# Altium PCB PowerAmplifier_Front.PcbDoc
Units mm, origin at the board's own origin, x right, y up, seen from the top; angles counter-clockwise.
Board outline 100.2 x 80.26 mm, 2 copper layers (Top Layer, Bottom Layer); 49 components, 27 nets, 123 pads, 0 vias.
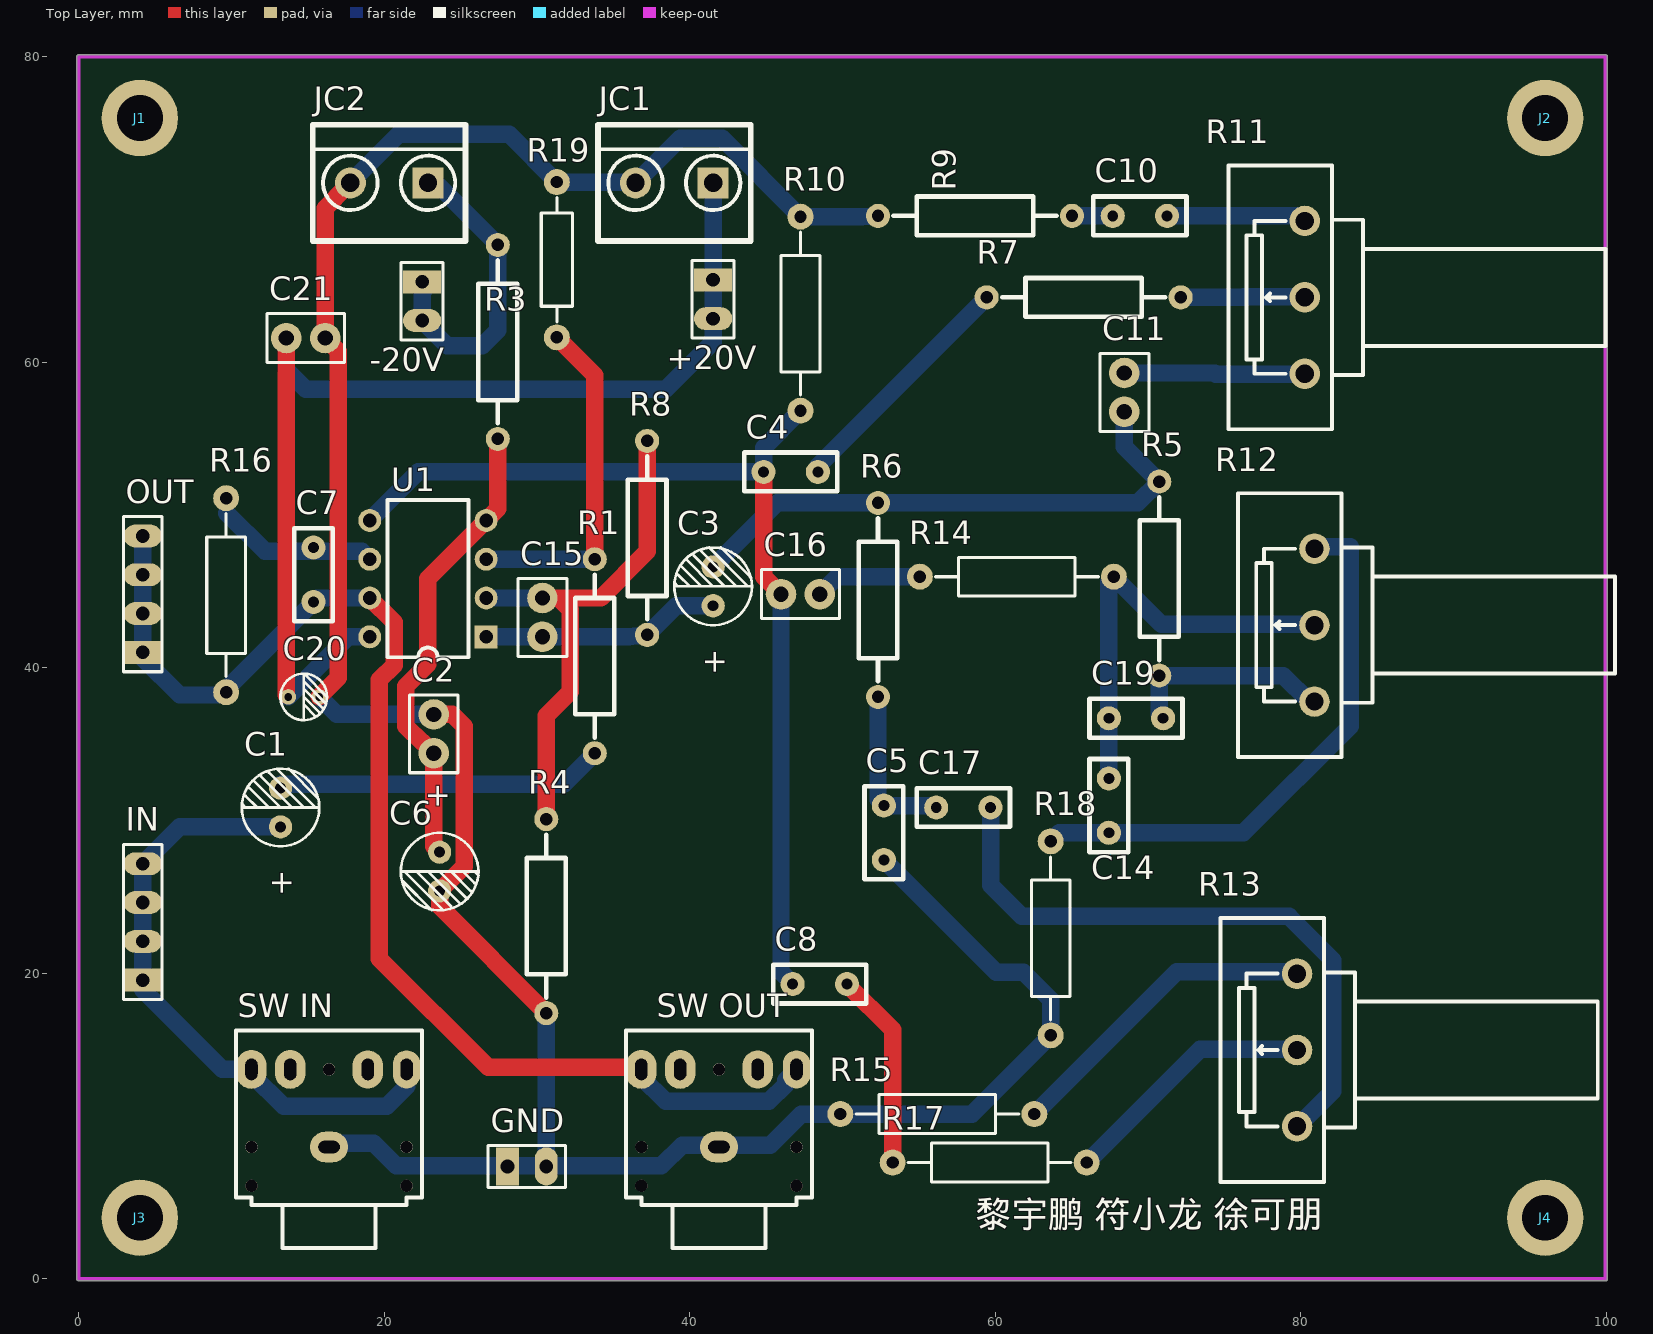
[diagram p0: Top Layer view]
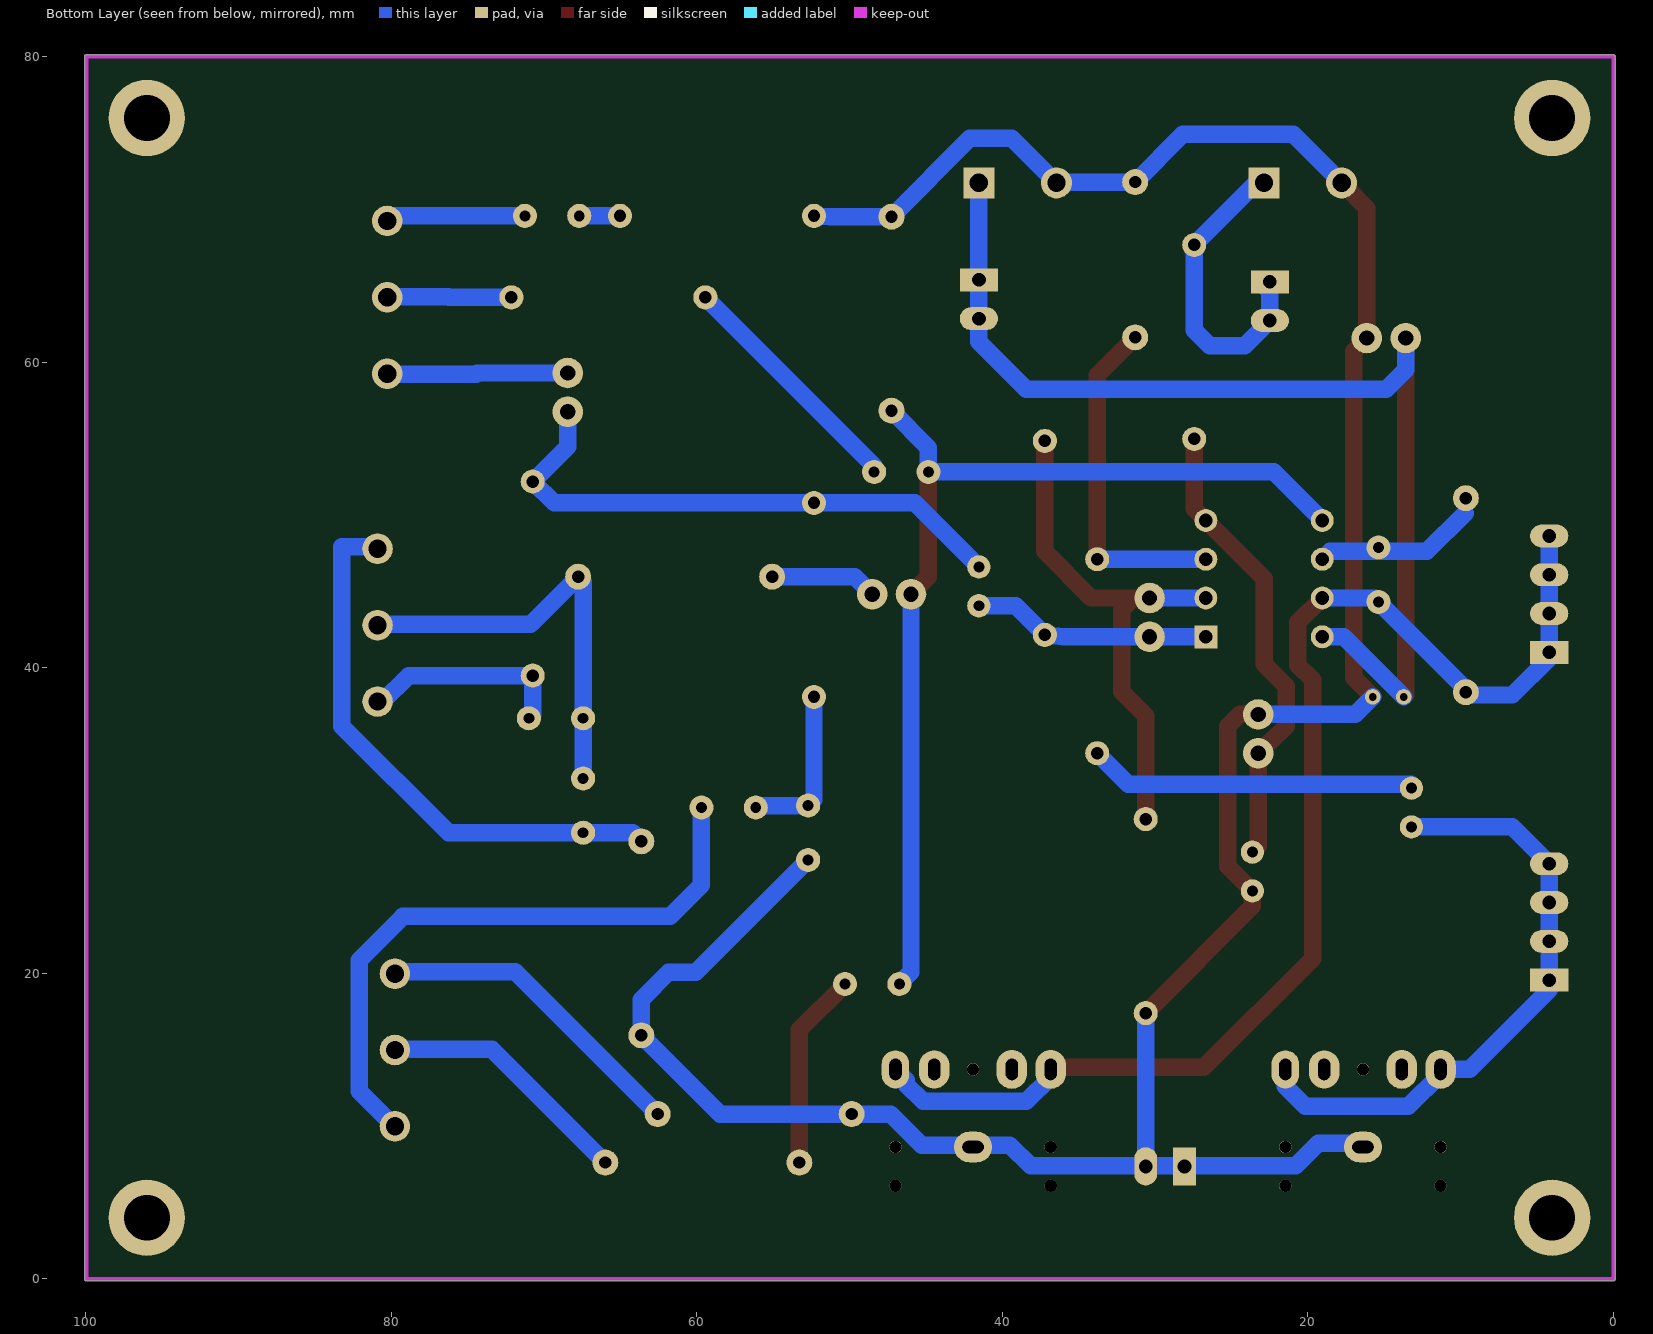
[diagram p1: Bottom Layer view, seen from below]

## Layer stack, top to bottom
Top Solder: solder mask 0.0102, Solder Resist, Dk 3.5
Top Layer: signal copper 0.0356
Dielectric 1: dielectric 0.32, FR-4, Dk 4.8
Bottom Layer: signal copper 0.0356
Bottom Solder: solder mask 0.0102, Solder Resist, Dk 3.5

## Board outline
0,-0.127 cw(c0,0) -0.127,0 -0.127,80.01 cw(c0,80.01) 0,80.137 99.949,80.137 cw(c99.949,80.01) 100.076,80.01 100.076,0 cw(c99.949,0) 99.949,-0.127

## Design rules (kind name [scope] priority, off if disabled: settings)
Clearance [All] p1: gap=0.254
HoleSize [All] p1 off: absolutevalues=TRUE maxlimit=2.54 minlimit=0.025 maxpercent=80.000 minpercent=20.000
PolygonConnect [All] p1: connectstyle=Relief reliefconductorwidth=0.254 reliefentries=4 polygonreliefangle="90 Angle" airgapwidth=0.254
RoutingVias [All] p1: holewidth=0.711 width=1.27 viastyle="Through Hole" minholewidth=0.711 minwidth=1.27 maxholewidth=0.711 maxwidth=1.27
SilkToSilkClearance [All] p1 off: silktosilkclearance=0.254
SilkToSolderMaskClearance [IsPad] p1 off: minsilkscreentomaskgap=0.254 clearancetoexposedcopper=TRUE
SolderMaskExpansion [All] p1: expansion=0.102
Width [All] p1: maxlimit=1.143 minlimit=1.143 preferedwidth=1.143
27 further rules are at their usual default settings.

## Components (designator, comment, footprint, x,y, rotation, side; value= is the part's Value field where it differs from the comment)
+20V "COM2-2.54" COM2-2.54 41.529,64.135 r270 top
-20V "COM2-2.54" COM2-2.54 22.479,64.008 r270 top
C1 "10uf" RB.1/.2 13.208,29.591 r90 top
C2 "Cap" CAPR2.54-5.1x3.2 23.241,35.687 r270 top
C3 "22uf" RB.1/.2 41.529,44.069 r90 top
C4 "224" RAD0.15 46.863,52.832 r180 top
C5 "333" RAD0.15 52.705,29.464 r270 top
C6 "22uf" RB.1/.2 23.622,27.94 r270 top
C7 "10pf" RAD0.15 15.367,46.355 r270 top
C8 "224" RAD0.15 48.768,19.304 r180 top
C10 "223" RAD0.15 69.723,69.596 r180 top
C11 "Cap" CAPR2.54-5.1x3.2 68.453,58.039 r90 top
C14 "683" RAD0.15 67.437,31.242 r270 top
C15 "Cap" CAPR2.54-5.1x3.2 30.353,43.307 r90 top
C16 "Cap" CAPR2.54-5.1x3.2 47.244,44.831 r0 top
C17 "333" RAD0.15 57.658,30.861 r0 top
C19 "683" RAD0.15 69.469,36.703 r180 top
C20 "22uf" RB.08/.12 13.716,38.1 r0 top
C21 "Cap" CAPR2.54-5.1x3.2 14.859,61.595 r180 top
GND "COM2-2.54" COM2-2.54 29.337,7.366 r0 top
IN "COM4-2.54" COM4-2.54 4.191,23.368 r90 top
J1 "3.0MM" 3.0MM 4,76 r0 top
J2 "3.0MM" 3.0MM 96,76 r0 top
J3 "3.0MM" 3.0MM 4,4 r0 top
J4 "3.0MM" 3.0MM 96,4 r0 top
JC1 "GND" CON_2PIN 38.989,71.755 r0 top
JC2 "GND" CON_2PIN 20.32,71.755 r0 top
OUT "COM4-2.54" COM4-2.54 4.191,44.831 r90 top
R1 "1K" AXIAL0.5 33.782,34.417 r90 top
R3 "220" AXIAL0.5 27.432,67.691 r270 top
R4 "1k" AXIAL0.5 30.607,30.099 r270 top
R5 "1k" AXIAL0.5 70.739,52.197 r270 top
R6 "2k" AXIAL0.5 52.324,50.8 r270 top
R7 "4.7k" AXIAL0.5 72.136,64.262 r180 top
R8 "2k" AXIAL0.5 37.211,54.864 r270 top
R9 "1K" AXIAL0.5 65.024,69.596 r180 top
R10 "10k" AXIL0.5 47.498,62.865 r90 top
R11 "10k" wh148-1-g15 80.264,64.262 r90 top
R12 "10k" wh148-1-g15 80.899,42.799 r90 top
R13 "10k" wh148-1-g15 79.756,14.986 r90 top
R14 "4.7k" AXIL0.5 61.087,45.72 r0 top
R15 "1k" AXIL0.5 55.88,10.541 r0 top
R16 "10k" AXIL0.5 9.398,45.085 r270 top
R17 "4.7k" AXIL0.5 59.309,7.366 r0 top
R18 "1k" AXIL0.5 63.881,21.971 r90 top
R19 "15k" AXIL0.4 31.369,66.294 r90 top
"SW IN" "POHENJACK STEREO SW" "POHENJACK STEREO SW" 16.256,11.049 r90 top
"SW OUT" "POHENJACK STEREO SW" "POHENJACK STEREO SW" 41.783,11.049 r90 top
U1 "NE5532" NE5532 22.987,45.974 r180 top

## Footprints (in the part's own frame and the unit in brackets; to place one, negate y for a bottom-side part, rotate by r counter-clockwise, add the part's x,y. Pads: shape width x height; smd on the part's side, far side on the other; paste and mask are expansions set on the pad)
3.0MM [mm]
  round 5 hole 3: 1(0,0)
AXIAL0.5 [mil]
  round 62 hole 32: 1(0,0) 2(500,0)
  silkscreen extent 40,-50 460,50
AXIL0.4 [mm]
  round 1.7 hole 0.8: 1(-4.65,0.075) 2(5.51,0.075)
  silkscreen extent -3.63,-0.94 4.49,1.09
AXIL0.5 [mm]
  round 1.7 hole 0.8: 1(-6.025,0.25) 2(6.675,0.25)
  silkscreen extent -5.01,-1.02 5.66,1.52
CAPR2.54-5.1x3.2 [mm]
  round 2 hole 1: 1(-1.27,0) 2(1.27,0)
  silkscreen extent -2.55,-1.6 2.55,1.6
COM2-2.54 [mm]
  rect 1.5x2.5 hole 0.9: 1(-1.27,0)
  oval 1.5x2.5 hole 0.9: 2(1.27,0)
  silkscreen extent -2.54,-1.37 2.54,1.37, body extent -2.54,-1.27 2.54,1.27, height 8.54
COM4-2.54 [mm]
  rect 1.5x2.5 hole 0.9: 1(-3.81,0)
  oval 1.5x2.5 hole 0.9: 2(-1.27,0) 3(1.27,0) 4(3.81,0)
  silkscreen extent -5.08,-1.27 5.08,1.27, body extent -5.08,-1.27 5.08,1.27, height 10.1
CON_2PIN [mil]
  rect 80x80 hole 47.24: 1(100,0)
  round 80 hole 47.24: 2(-100,0)
  silkscreen extent -197,-150 197,150, body extent -190,-171 203,144, height 433
NE5532 [mm]
  rect 1.5x1.5 hole 0.9: 1(-3.683,3.937)
  round 1.5 hole 0.9: 2(-3.683,1.397) 3(-3.683,-1.143) 4(-3.683,-3.683) 5(3.937,-3.683) 6(3.937,-1.143) 7(3.937,1.397) 8(3.937,3.937)
  silkscreen extent -2.52,-5.02 2.78,5.28
"POHENJACK STEREO SW" [mm]
  oval 2.54x2 hole 0.8 slot 1.4 at 0 deg: 1(2.667,4.953) 2(2.667,2.413)
  oval 2.5x2 hole 0.8 slot 1.4 at 0 deg: 3(2.667,-2.667)
  oval 2.5x1.8 hole 0.8 slot 1.4 at 0 deg: 4(2.667,-5.207)
  oval 2x2.5 hole 0.8 slot 1.4 at 90 deg: 5(-2.413,-0.127)
  round 0.8 hole 0.8: 6(-4.953,-5.207) 6(-4.953,4.953) 6(-2.413,4.953) 6(-2.413,-5.207) 6(2.667,-0.127)
  silkscreen extent -9.02,-6.22 5.21,5.97
RAD0.15 [mil]
  round 62 hole 28: 1(-60,0) 2(80,0)
  silkscreen extent -110,-50 130,50
RB.1/.2 [mil]
  round 60 hole 28: 1(0,0) 2(100,0)
  silkscreen extent -50,-100 150,100
RB.08/.12 [mil]
  round 40 hole 20: 1(0,0) 2(80,0)
  silkscreen extent -20,-60 100,60
wh148-1-g15 [mm] "单联电位器，脚距：5mm，柄长：15mm"
  round 2 hole 1.2: 1(-5,0) 2(0,0) 3(5,0)
  silkscreen extent -8.64,-19.68 8.64,5, body extent -8.45,-19.5 8.45,4.8, height 20.95

## Part data
C1 C3 C6 C20: library part CAP_E, "Electrolytic Capacitor"
C2 C11 C15 C16 C21: "Capacitor"
C4 C5 C7 C8 C10 C14 C17 C19: library part CAP1
JC1 JC2: library part CON_2PIN
R1 R3 R4 R5 R6 R7 R8 R9: library part RES
R10 R14 R15 R16 R17 R18 R19: library part 电阻
R11 R12 R13: library part 滑动变阻器

## Nets (pads, with @x,y where several pads share a name; then routed paths per layer and width w, separated by ;. In a path a pad name is that pad's centre, name@x,y a point inside that pad or via, vN(x,y) a via of type N, cw(c..) or ccw(c..) an arc to the next point about the centre after c; other vN are vias at no path point)
+20V: +20V.1 +20V.2 C20.1 C21.2 JC1.1 U1.8 | length 72.6
  Top Layer w1.143: C20.1@13.589,38.227 C21.2
  Bottom Layer w1.143: C21.2 13.589,59.512 14.859,58.242 38.43,58.242 41.529,61.341 +20V.2 +20V.1 JC1.1 ; C20.1 17.653,42.037 U1.8
-20V: -20V.1 -20V.2 JC2.1 R3.1 | length 20.5
  Bottom Layer w1.143: JC2.1 23.368,71.755 R3.1 27.432,62.103 26.416,61.087 24.13,61.087 -20V.2 22.479,64.643 -20V.1@22.987,65.151
GND: "SW IN.5" "SW OUT.5" C2.1 C5.2 C6.2 C20.2 C21.1 GND.1 GND.2 JC1.2 JC2.2 R4.2 R9.2 R10.2 R15.1 R18.1 R19.2 | length 186.5
  Top Layer w1.143: C20.2 16.993,39.345 16.993,60.731 C21.1 16.129,70.104 JC2.2@17.526,71.501 ; C2.1 24.46,36.957 25.222,36.195 25.222,27 C6.2 23.622,24.384 R4.2
  Bottom Layer w1.143: C20.2 16.891,36.957 C2.1 ; 16.383,8.89 19.304,8.89 20.783,7.411 GND.2@30.48,7.411 ; JC2.2 20.955,74.93 28.168,74.93 R19.2 36.498,71.804 39.37,74.676 42.112,74.676 R10.2 51.247,69.54 R9.2 ; GND.2@30.48,7.366 GND.2@30.48,7.411 ; R4.2 30.607,7.538 GND.2@30.48,7.411 ; C5.2 60.071,20.066 61.849,20.066 63.627,18.288 63.627,15.942 58.476,10.791 R15.1 47.285,10.791 45.257,8.763 39.497,8.763 38.145,7.411 GND.2@30.48,7.411
NetC1_1: "SW IN.1" "SW IN.4" C1.1 IN.1 IN.2 IN.3 IN.4 | length 40.8
  Bottom Layer w1.143: C1.1 6.604,29.591 IN.4 IN.3 IN.2 IN.1 4.191,18.923 9.398,13.716 11.303,13.716 11.303,13.404 13.404,11.303 20.168,11.303 21.463,12.598 21.463,13.716 21.463,13.97
NetC1_2: C1.2 R1.1 | length 21.4
  Bottom Layer w1.143: C1.2@13.208,32.385 31.75,32.385 R1.1
NetC2_2: C2.2 C6.1 R3.2 U1.4 | length 30.5
  Top Layer w1.143: C6.1 23.241,28.321 C2.2 22.53,35.128 22.479,35.128 21.415,36.192 21.415,38.786 22.86,40.23 22.86,45.847 U1.4 27.432,50.419 R3.2
NetC3_1: C3.1 C15.1 R8.2 U1.1 | length 15.7
  Bottom Layer w1.143: U1.1 C15.1 35.992,42.037 R8.2 39.116,44.069 C3.1
NetC3_2: C3.2 C11.1 R5.1 R6.1 | length 37
  Bottom Layer w1.143: C3.2 45.72,50.8 R6.1 69.342,50.8 R5.1 68.453,54.483 C11.1
NetC4_1: C4.1 R7.2 | length 16
  Bottom Layer w1.143: C4.1 48.387,53.213 R7.2
NetC4_2: C4.2 C8.2 C16.1 R10.1 U1.5 | length 66.4
  Top Layer w1.143: C4.2 44.831,45.974 C16.1
  Bottom Layer w1.143: U1.5 22.225,52.832 C4.2 44.831,54.423 R10.1 ; C16.1 45.974,20.066 C8.2
NetC5_1: C5.1 C17.1 R6.2 | length 10.8
  Bottom Layer w1.143: R6.2 52.324,31.369 C5.1 56.007,30.988 C17.1
NetC7_1: C7.1 R16.1 U1.6 | length 10.8
  Bottom Layer w1.143: 9.686,50.131 12.192,47.625 15.113,47.625 C7.1 15.621,47.625 18.542,47.625 U1.6
NetC7_2: "SW OUT.1" "SW OUT.4" C7.2 OUT.1 OUT.2 OUT.3 OUT.4 R16.2 U1.7 | length 83.9
  Top Layer w1.143: U1.7 20.65,42.977 20.65,40.18 19.685,39.214 19.685,20.955 26.797,13.843 36.83,13.843
  Bottom Layer w1.143: OUT.4 OUT.3 OUT.2 OUT.1 4.191,40.64 6.604,38.227 9.465,38.227 R16.2 9.648,38.604 C7.2 15.621,44.577 U1.7 ; 36.83,13.843 36.83,13.716 36.83,13.208 38.417,11.62 45.186,11.62 46.276,12.71 46.276,13.002 46.99,13.716
NetC8_1: C8.1 R17.1 | length 12.9
  Top Layer w1.143: C8.1 53.284,16.312 R17.1
NetC10_1: C10.1 R11.3 | length 9.1
  Bottom Layer w1.143: C10.1 80.061,69.596 R11.3@80.264,69.393
NetC10_2: C10.2 R9.1 | length 2.7
  Bottom Layer w1.143: R9.1 C10.2
NetC11_2: C11.2 R11.1 | length 11.8
  Bottom Layer w1.143: C11.2 74.371,59.309 74.447,59.233 R11.1@80.264,59.233
NetC14_1: C14.1 C19.2 R12.2 R14.2 | length 27.8
  Bottom Layer w1.143: C14.1 C19.2 67.437,45.645 R14.2 70.882,42.85 R12.2@80.899,42.85
NetC14_2: C14.2 R12.3 R18.2 | length 36.8
  Bottom Layer w1.143: R18.2 64.195,29.21 C14.2 76.251,29.21 83.236,36.195 83.236,47.93 R12.3@80.899,47.93
NetC15_2: C15.2 R4.1 R8.1 U1.2 | length 34.5
  Top Layer w1.143: C15.2 31.42,44.577 ; R4.1 30.607,36.855 32.182,38.43 32.182,43.815 31.42,44.577 ; R8.1 37.211,47.625 34.163,44.577 31.42,44.577
  Bottom Layer w1.143: U1.2 C15.2
NetC16_2: C16.2 R14.1 | length 7
  Bottom Layer w1.143: C16.2 49.653,45.97 R14.1
NetC17_2: C17.2 R13.1 | length 41.4
  Bottom Layer w1.143: C17.2 59.69,25.781 61.722,23.749 79.248,23.749 79.248,23.706 82.081,20.873 82.081,12.282 R13.1@79.756,9.957
NetC19_1: C19.1 R5.2 R12.1 | length 13.8
  Bottom Layer w1.143: C19.1 70.739,36.957 R5.2 78.867,39.497 80.594,37.77 R12.1@80.899,37.77
NetR1_2: R1.2 R19.1 U1.3 | length 22.7
  Top Layer w1.143: R19.1 33.782,59.156 R1.2
  Bottom Layer w1.143: U1.3 R1.2
NetR7_1: R7.1 R11.2 | length 8.1
  Bottom Layer w1.143: R7.1 76.2,64.262 76.251,64.313 R11.2@80.264,64.313
NetR13_2: R13.2 R17.2 | length 16.8
  Bottom Layer w1.143: R17.2 73.405,15.037 R13.2@79.756,15.037
NetR13_3: R13.3 R15.2 | length 21.1
  Bottom Layer w1.143: R15.2 71.881,20.117 R13.3@79.756,20.117
pads on no net: "SW IN.2" "SW IN.3" "SW IN.6" "SW OUT.2" "SW OUT.3" "SW OUT.6" J1.1 J2.1 J3.1 J4.1

## Keep-outs
Keep-Out Layer:
  lines w0.254: 0,0 0,80.01 99.949,80.01 99.949,0 0,0

## Silkscreen, mask and mechanical layers (free items; w line width, h text height)
Top Overlay:
  text "黎宇鹏 符小龙 徐可朋" at 58.674,2.794 h3

## Text inside footprints (layer, text, board x,y; h text height)
C1: Top Overlay "+" at 13.958,25.041 h1.5 r90
C3: Top Overlay "+" at 42.279,39.519 h1.5 r90
C6: Top Overlay "+" at 22.872,32.49 h1.5 r270